# Altium PCB Main.PcbDoc (part 1 of 2)
Units mil, origin at the board's own origin, x right, y up, seen from the top; angles counter-clockwise.
Board outline 3937.01 x 2322.83 mil, 4 copper layers (Top Layer, GND, Power, Bottom Layer), stack 23.756 mil thick; 61 components, 101 nets, 394 pads, 153 vias.
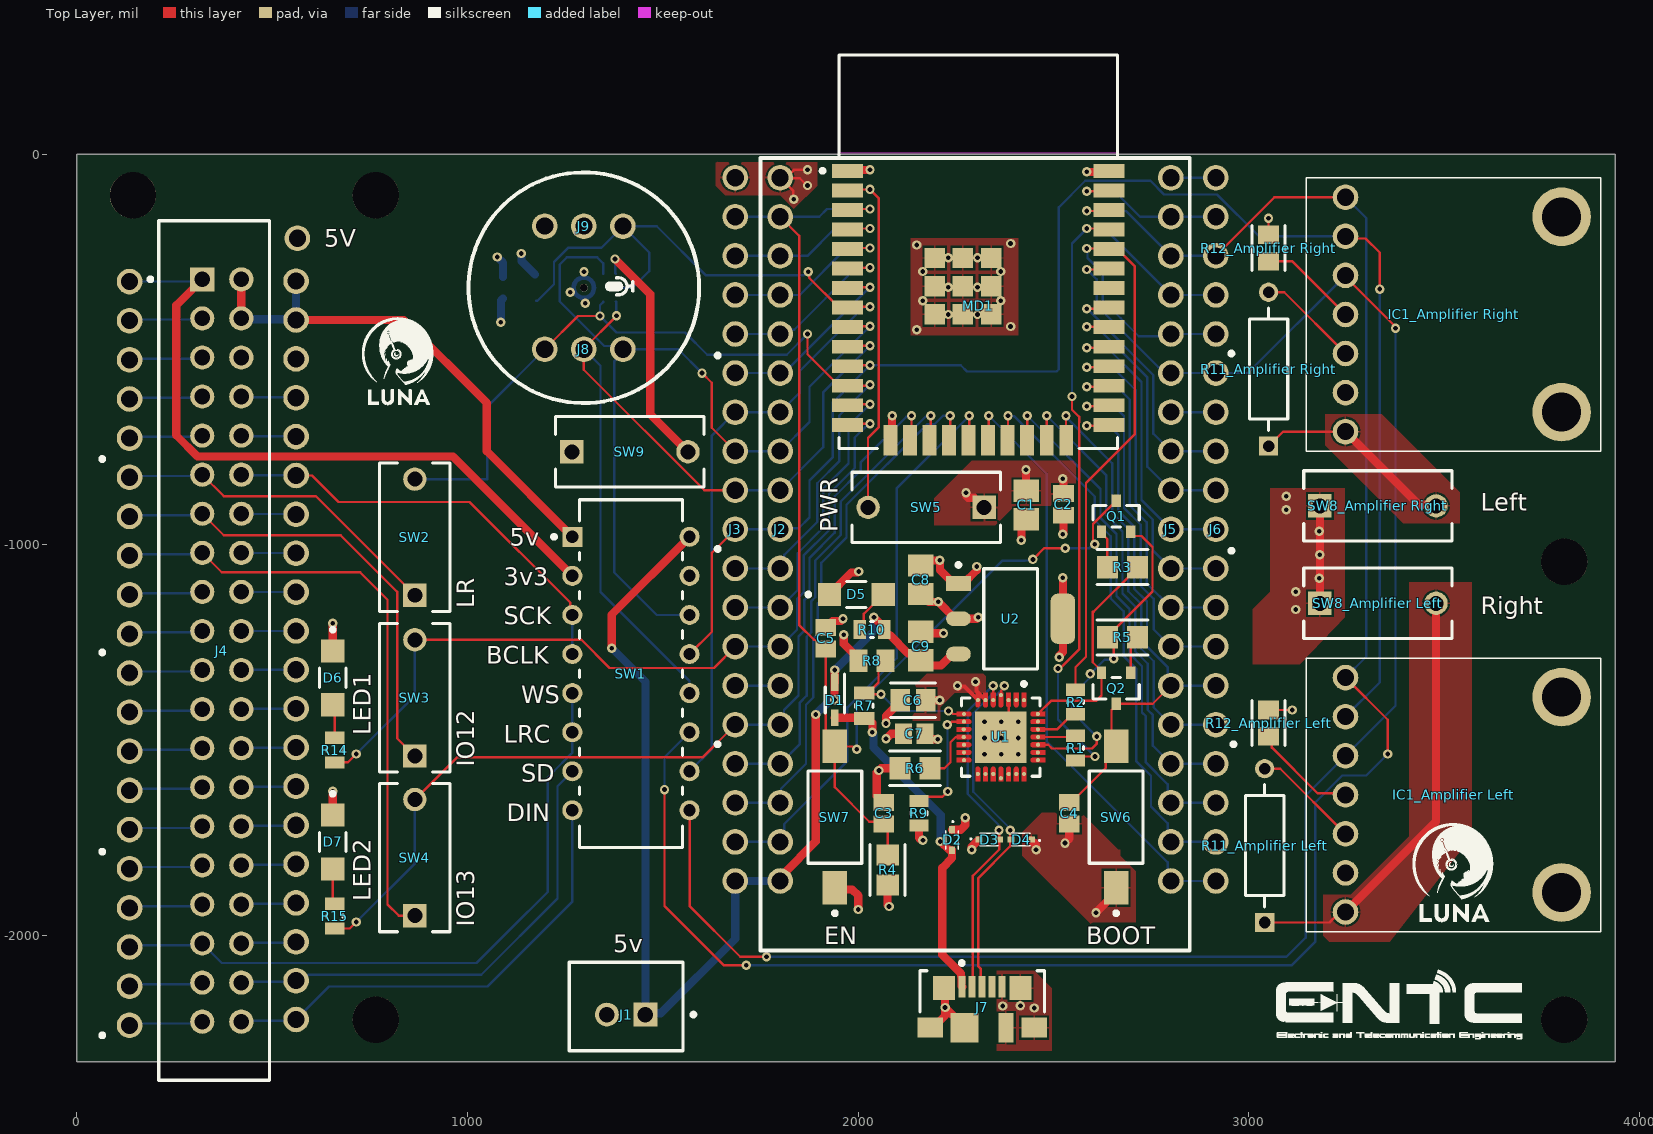
[diagram p0: Top Layer view]
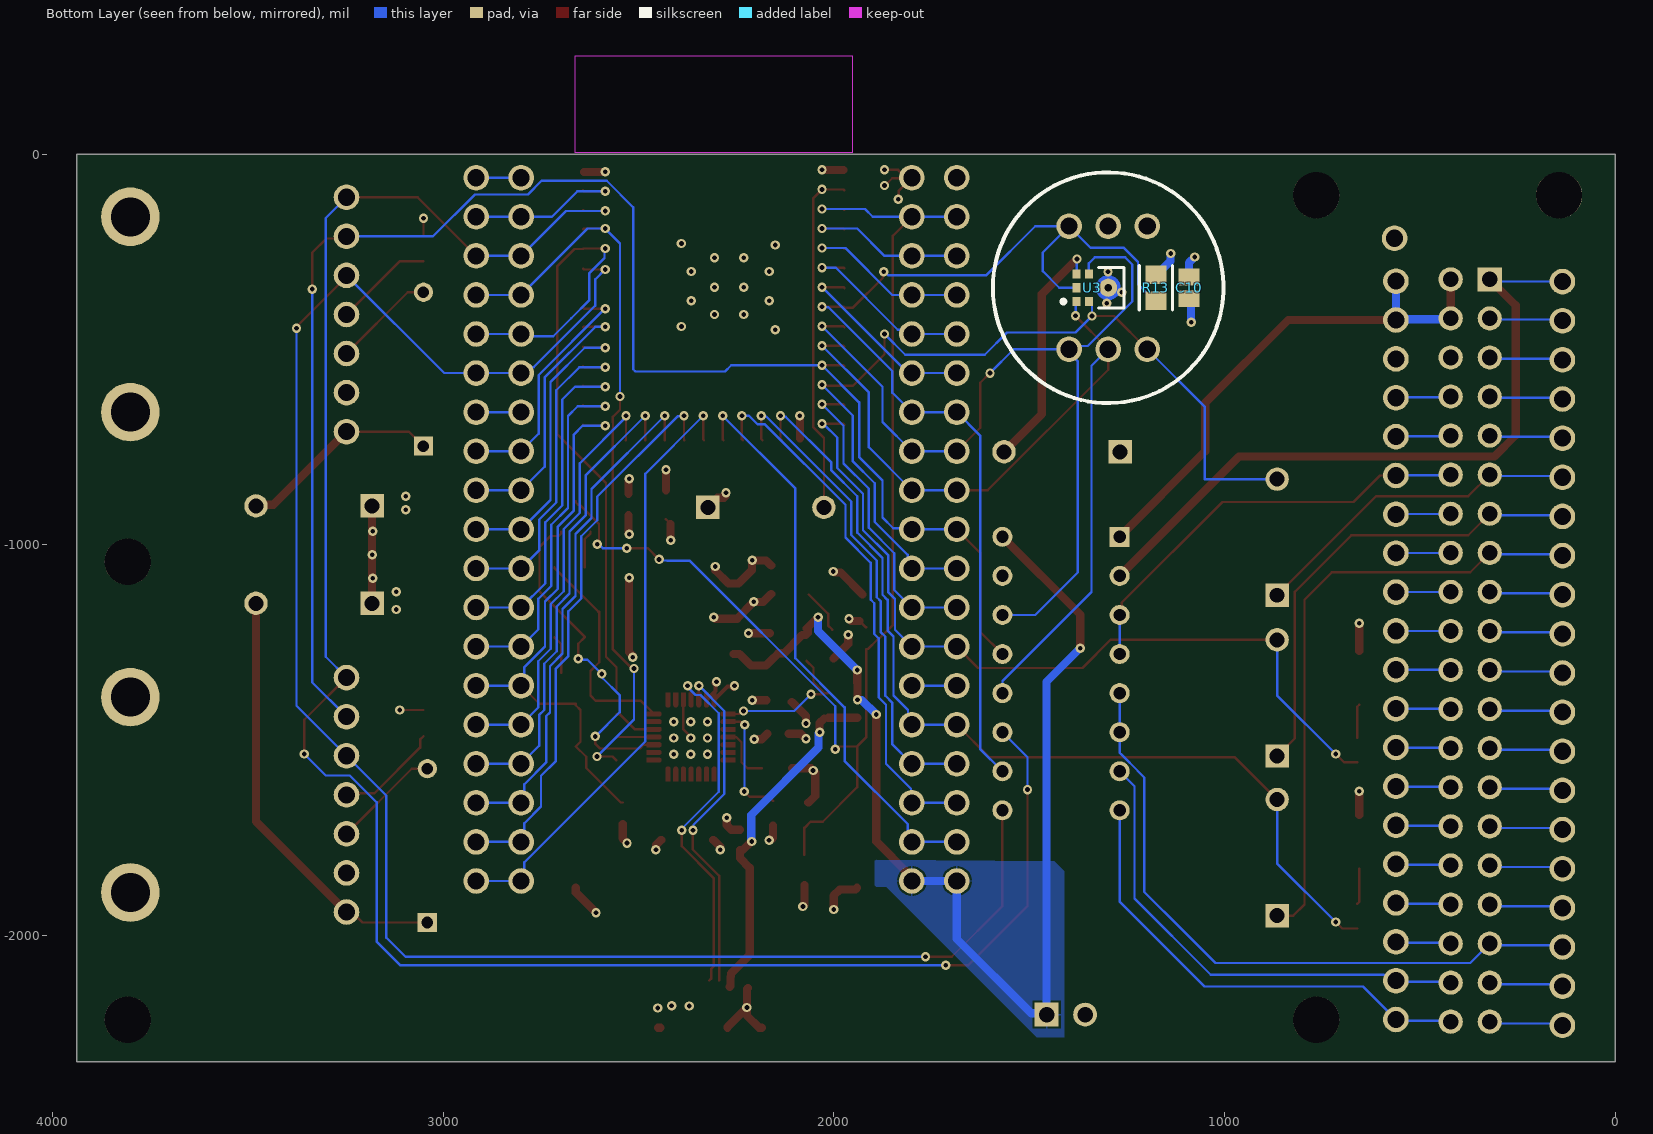
[diagram p1: Bottom Layer view, seen from below]
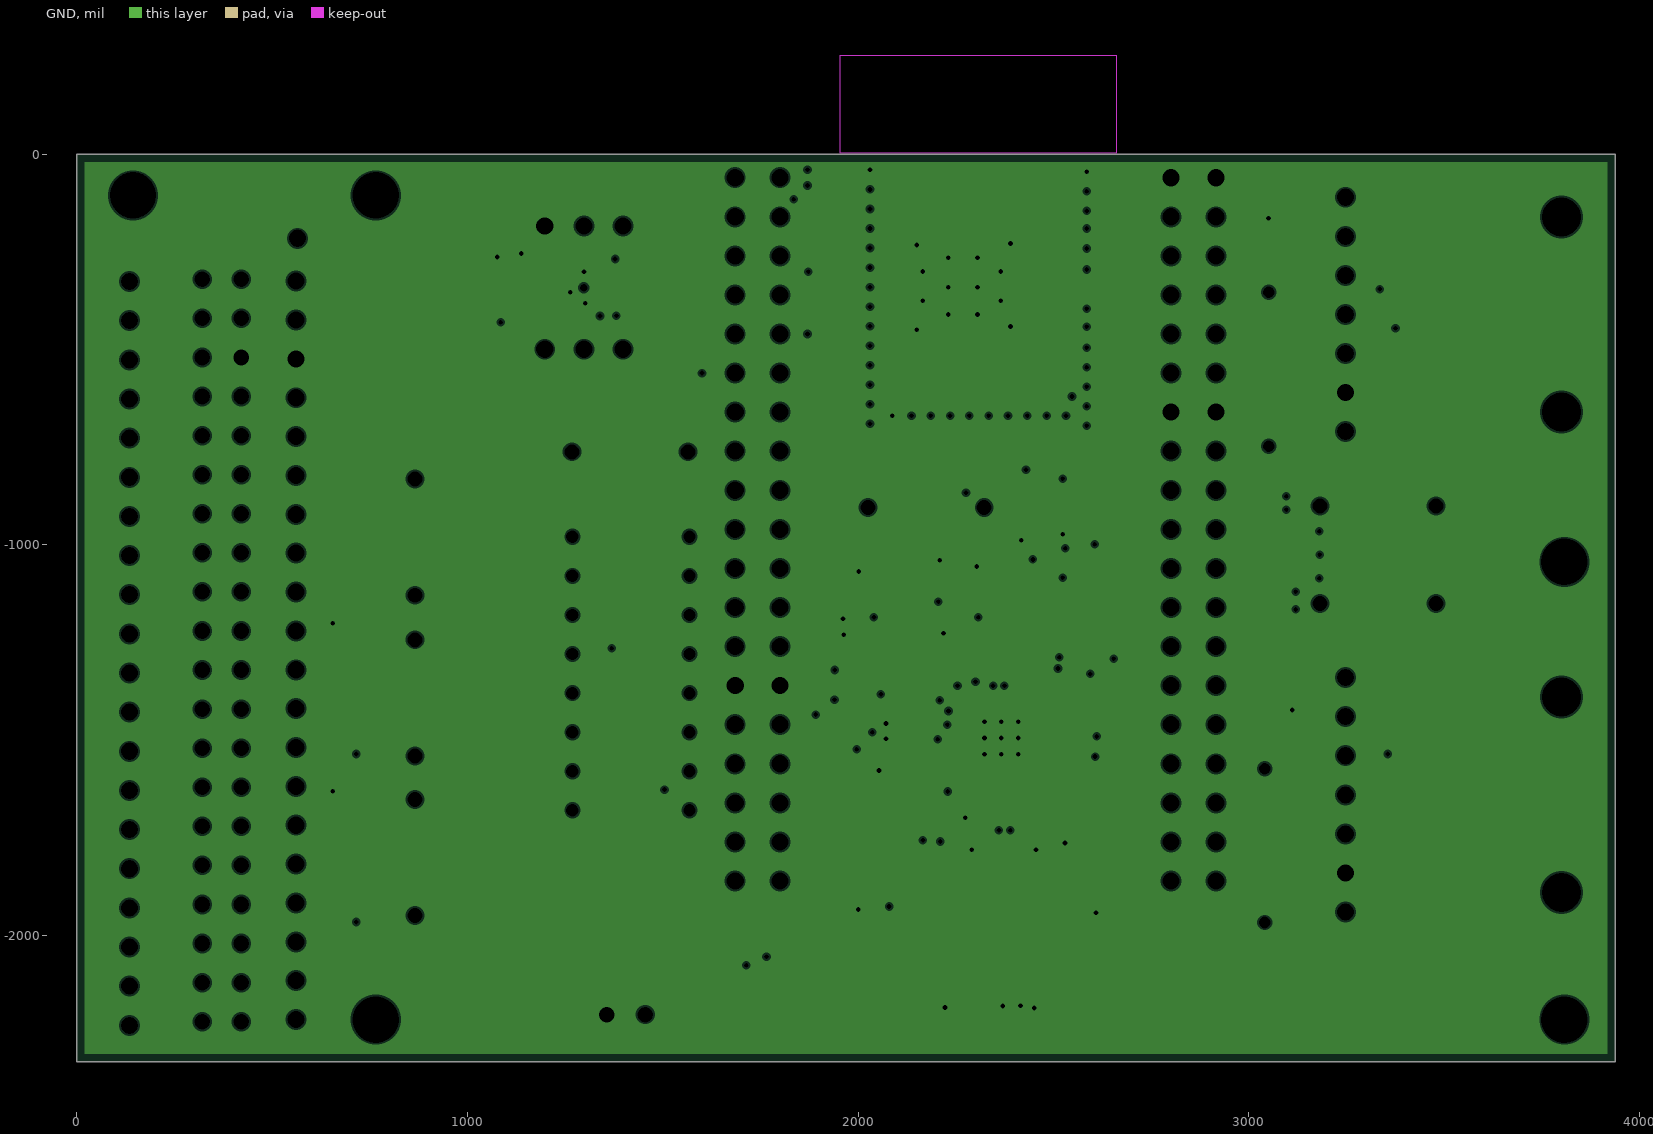
[diagram p2: GND, clearances drawn from the general rule]
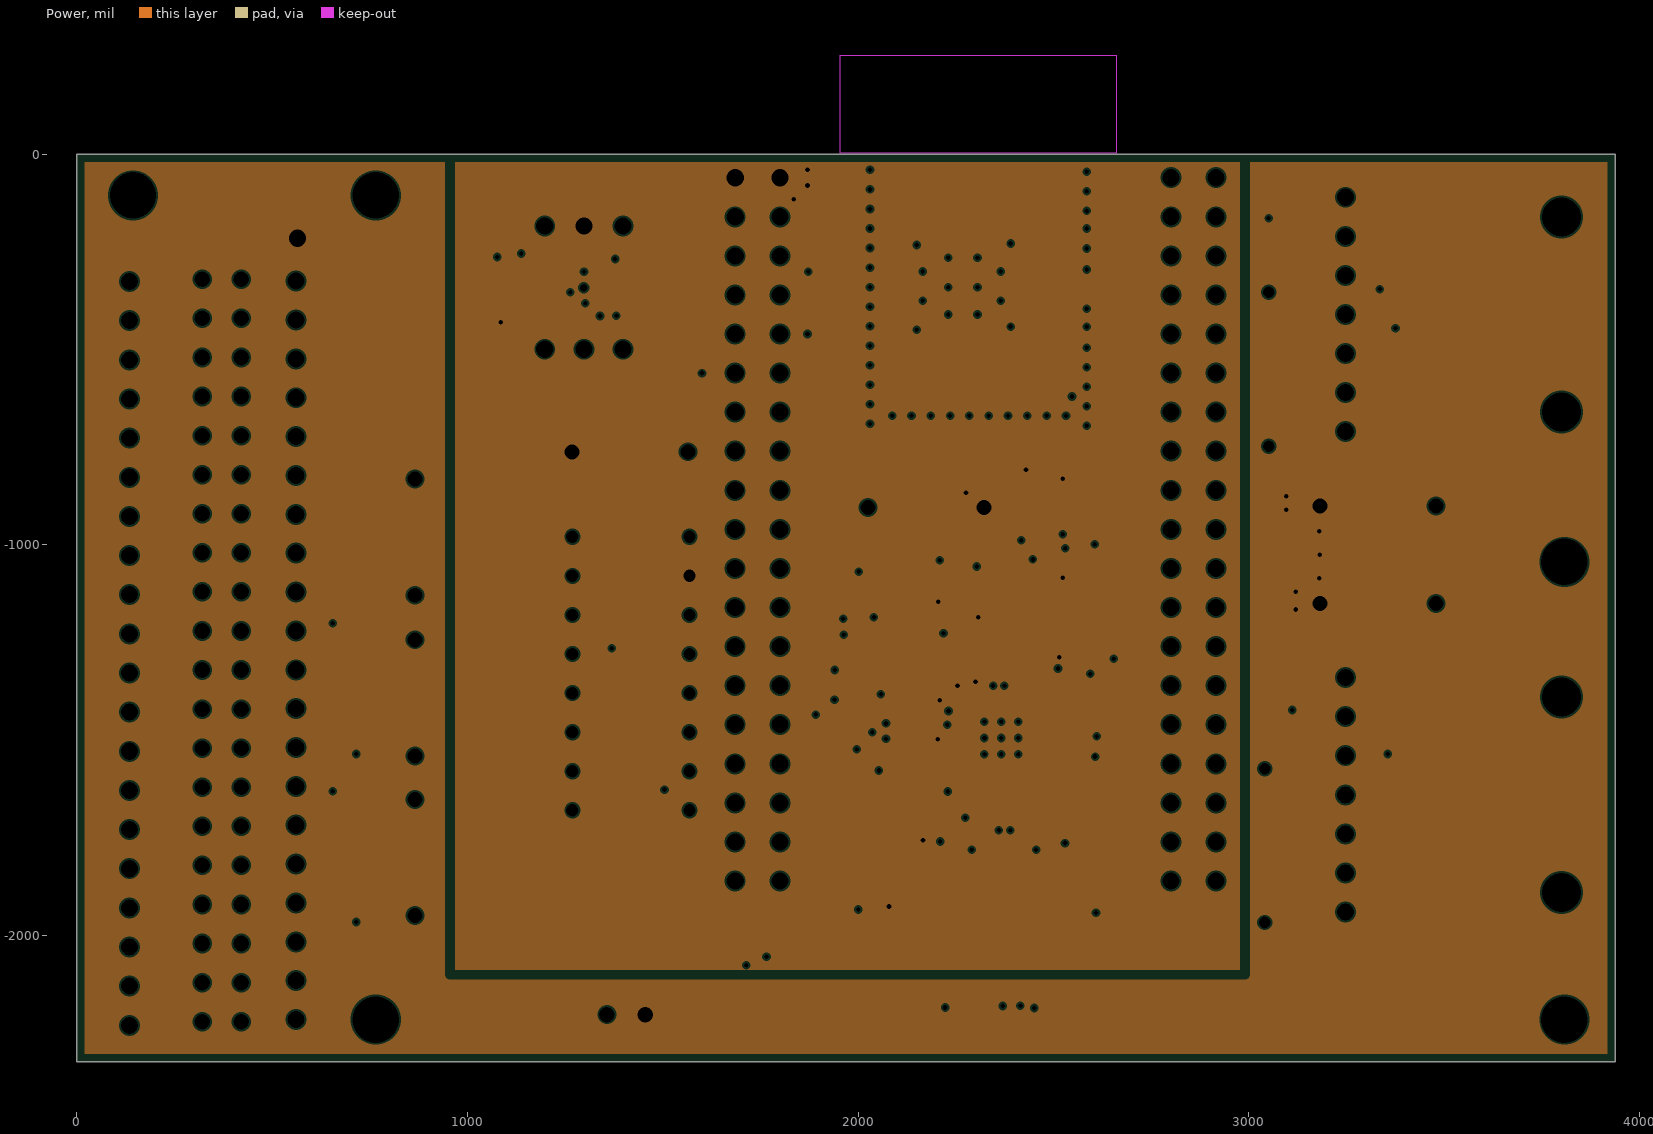
[diagram p3: Power, clearances drawn from the general rule]
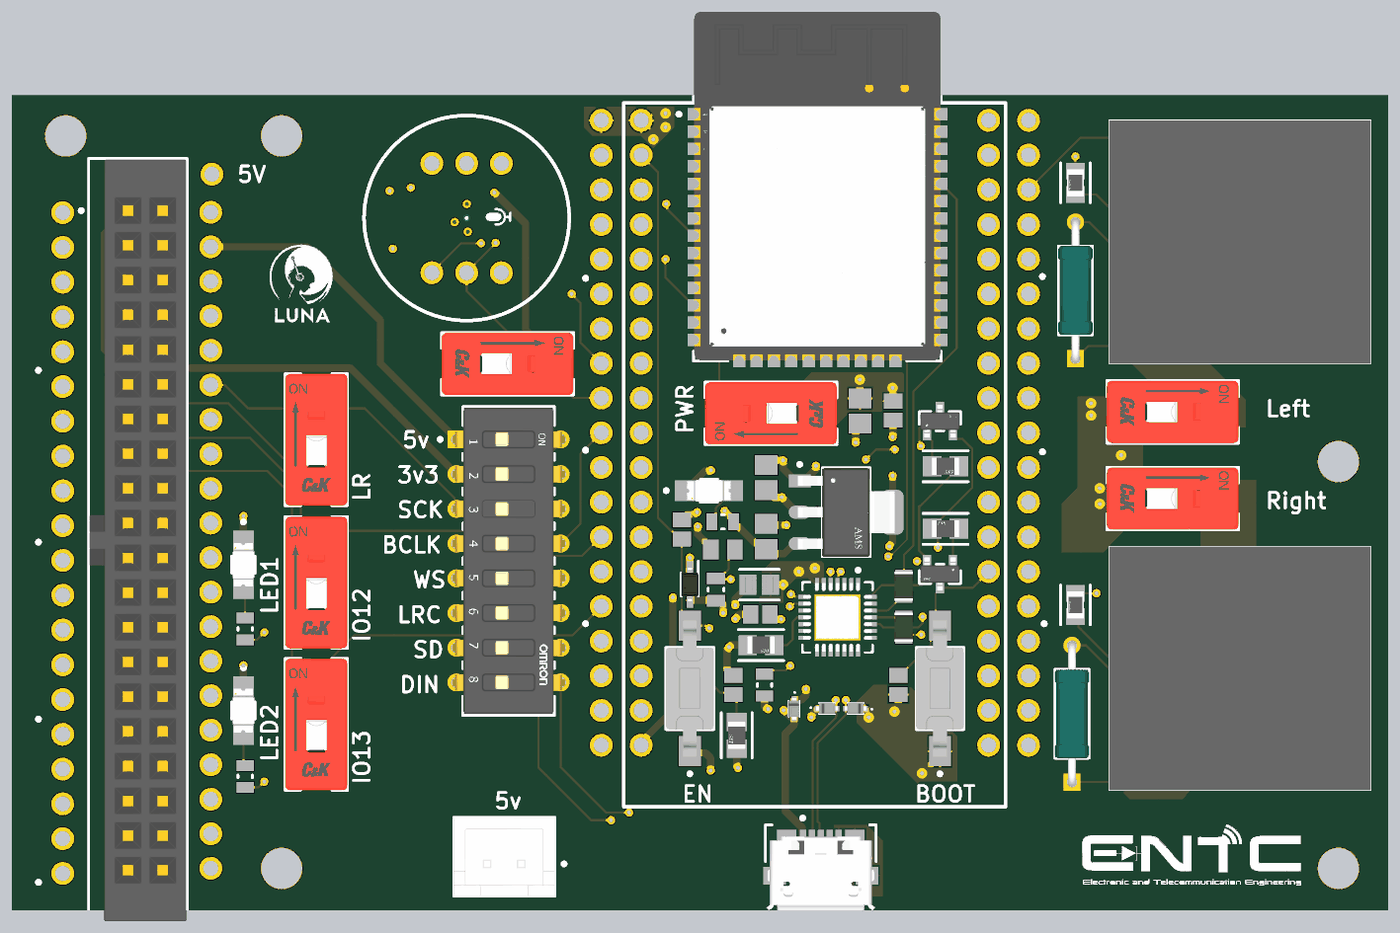
[diagram p5: 3D render of the assembled board from above, using the file's embedded part models]

## Layer stack, top to bottom
Top Solder: solder mask 0.4, Solder Resist, Dk 3.5
Top Layer: signal copper 1.4
Dielectric 2: prepreg 2.8, PP-006, Dk 4.1
GND: plane copper 1.378, net GND
Dielectric 1: dielectric 12.6, FR-4, Dk 4.8
Power: plane copper 1.378, net +3.3
Dielectric 3: prepreg 2.8, PP-006, Dk 4.1
Bottom Layer: signal copper 1.4
Bottom Solder: solder mask 0.4, Solder Resist, Dk 3.5

## Board outline
0.04,-2322.83 3937.05,-2322.83 3937.05,0 0.04,0

## Design rules (kind name [scope] priority, off if disabled: settings)
BoardOutlineClearance [All] p1: gap=7.87 ignorepadtopadclearanceinfootprint=FALSE
Clearance [All] p1: gap=5 ignorepadtopadclearanceinfootprint=FALSE except(9.84: Arc-Hole Track-Hole SMDPad-Hole THPad-Hole Via-Hole Fill-Hole Poly-Hole Region-Hole Text-Hole)
Clearance "USB Differential Clearance" [(InNet('USB_DN') OR InNet('USB_DP'))] p2: gap=8 ignorepadtopadclearanceinfootprint=FALSE
ComponentClearance [All] p1: gap=5 collisioncheckmode=3 verticalgap=5 showdistances=TRUE
DiffPairsRouting [All] p1: maxlimit=10 minlimit=5 mostfreqgap=5 toplayer_minwidth=5 toplayer_maxwidth=1000 toplayer_prefwidth=5 bottomlayer_minwidth=5 bottomlayer_maxwidth=1000 bottomlayer_prefwidth=5 maxuncoupledlength=500
Height [All] p1: minheight=0 maxheight=71497.94 prefheight=500
HoleSize [All] p1: absolutevalues=TRUE maxlimit=248.03 minlimit=11.81 maxpercent=80.000 minpercent=20.000
HoleToHoleClearance [All] p1: gap=9.84 allowstackedmicrovias=FALSE
MinimumAnnularRing [All] p1: minimumring=3
MinimumSolderMaskSliver [All] p1: minsoldermaskwidth=0
PlaneClearance [All] p1: clearance=5
PlaneConnect PlaneConnectPowerPads [InPadClass('PowerPads')] p1: planeconnectstyle=Direct reliefexpansion=20 reliefentries=4 reliefconductorwidth=10 reliefairgap=10
PlaneConnect [All] p2: pad.planeconnectstyle=Relief pad.reliefexpansion=11.81 pad.reliefentries=4 pad.reliefconductorwidth=5 pad.reliefairgap=5 via.planeconnectstyle=Direct via.reliefexpansion=11.81 via.reliefentries=4 via.reliefconductorwidth=5 via.reliefairgap=5
PolygonConnect PolygonConnectPowerPads [All vs (InPadClass('PowerPads'))] p1: connectstyle=Direct reliefconductorwidth=10 reliefentries=4 polygonreliefangle="90 Angle" airgapwidth=10
PolygonConnect [All] p2: thpad.connectstyle=Relief thpad.reliefconductorwidth=5 thpad.reliefentries=4 thpad.polygonreliefangle="90 Angle" thpad.airgapwidth=5 smdpad.connectstyle=Relief smdpad.reliefconductorwidth=5 smdpad.reliefentries=4 smdpad.polygonreliefangle="90 Angle" smdpad.airgapwidth=5 via.connectstyle=Direct via.reliefconductorwidth=5 via.reliefentries=4 via.polygonreliefangle="90 Angle" via.airgapwidth=5
RoutingVias [All] p1: holewidth=11.81 width=23.62 viastyle="Through Hole" minholewidth=11.81 minwidth=23.62 maxholewidth=23.62 maxwidth=259.84
SilkToSilkClearance [All] p1: silktosilkclearance=0
SilkToSolderMaskClearance [IsPad] p1: minsilkscreentomaskgap=5 clearancetoexposedcopper=TRUE
SolderMaskExpansion [All] p1: expansion=2.95 istentingtop=FALSE
Width "USB Differential Width" [(InNet('USB_DN') OR InNet('USB_DP'))] p1: maxlimit=6 minlimit=6 preferedwidth=6
Width [All] p2: maxlimit=1000 minlimit=5 preferedwidth=5 minimp=50.000000 maximp=50.000000 favimp=50.000000
20 further rules are at their usual default settings.

## Classes and differential pairs
channel class Amplifier: "Amplifier Left" "Amplifier Right"
component class Power: C8 C9 D5 R10 U2
component class Microphone: C10 R13 SW9 U3
component class MCU: C1 C2 C3 C4 C5 C6 C7 D1 D2 D3 D4 J7 MD1 Q1 Q2 R1 R2 R3 R4 R5 R6 R7 R8 R9 SW5 SW6 SW7 U1
component class Main: D6 D7 J1 J2 J3 J4 J5 J6 J8 J9 R14 R15 SW1 SW2 SW3 SW4
component class "Amplifier Right": "IC1_Amplifier Right" "R11_Amplifier Right" "R12_Amplifier Right" "SW8_Amplifier Right"
component class "Amplifier Left": "IC1_Amplifier Left" "R11_Amplifier Left" "R12_Amplifier Left" "SW8_Amplifier Left"

## Components (designator, comment, footprint, x,y, rotation, side; value= is the part's Value field where it differs from the comment)
C1 "TACR226M010XTA" CAPC2014X150X70ML20 2430.04,-897.44 r90 top value=22uF
C2 "08055F104KAT2A" CAPC2013X140X50LL20T25 2525.04,-896.3 r90 top value=0.1uF
C3 "08055F104KAT2A" CAPC2013X140X50LL20T25 2065.04,-1686.57 r270 top value=0.1uF
C4 "08055F104KAT2A" CAPC2013X140X50LL20T25 2540.04,-1686.57 r270 top value=0.1uF
C5 "08055F104KAT2A" CAPC2013X140X50LL20T25 1917,-1238.56 r90 top value=0.1uF
C6 "CL21A475KQFNNNF" FP-CL21-IPC_B 2139.8,-1397.64 r180 top
C7 "08055F104KAT2A" CAPC2013X140X50LL20T25 2142.76,-1483.27 r0 top value=0.1uF
C8 "TACR226M010XTA" CAPC2014X150X70ML20 2160.04,-1088.86 r270 top value=22uF
C9 "TACR226M010XTA" CAPC2014X150X70ML20 2160.04,-1258.86 r270 top value=22uF
C10 "08055F104KAT2A" CAPC2013X140X50LL20T25 1090.47,-341.54 r90 bottom value=0.1uF
D1 "BAT760-7" SOD2512X110N 1940,-1397 r270 top
D2 "LESD5D5.0CT1G" LESD5D50CT1G 2240,-1755 r270 top
D3 "LESD5D5.0CT1G" LESD5D50CT1G 2335,-1754 r0 top
D4 "LESD5D5.0CT1G" LESD5D50CT1G 2417,-1754 r180 top
D5 "HSMS-C150" FP-HSMS-C150-MFG 1995.04,-1126.57 r0 top
D6 "HSMS-C150" FP-HSMS-C150-MFG 655,-1340 r270 top
D7 "HSMS-C150" FP-HSMS-C150-MFG 655,-1760 r270 top
"IC1_Amplifier Left" "MAX98357A" 3006 3150.04,-1639.37 r270 top (schematic designator IC1)
"IC1_Amplifier Right" "MAX98357A" 3006 3150.04,-410 r270 top (schematic designator IC1)
J1 "B2B-XH-A(LF)(SN)" FP-B2B-XH-A_LF_SN-MFG 1405.79,-2181.24 r180 top
J2 "19 Pin Header" "19 Pin Header" 1800.04,-960 r0 top
J3 "19 Pin Header" "19 Pin Header" 1685.04,-960 r0 top
J4 "SFH11-PBPC-D20-ST-BK" FP-SFH11-PBPC-D20-ST-BK-MFG 351.22,-1270.08 r270 top
J5 "19 Pin Header" "19 Pin Header" 2800.04,-960 r0 top
J6 "19 Pin Header" "19 Pin Header" 2915.04,-960 r0 top
J7 "MICRO-USB B" FP-473460001-MFG 2317.07,-2221.6 r0 top
J8 "3 Pin Header" "3 Pin Header" 1297.52,-499.02 r90 top
J9 "3 Pin Header" "3 Pin Header" 1297.52,-184.06 r90 top
MD1 "ESP32-WROOM-32" FP-ESP32-WROOM-32-MFG 2307.17,-249.57 r0 top
Q1 "SS8050-G" FP-SS8050-G-MFG 2660.04,-926.57 r90 top
Q2 "SS8050-G" FP-SS8050-G-MFG 2660.04,-1366.57 r270 top
R1 "RC0805JR-100RL" RESC2013X60X35LL10T20 2556,-1520 r90 top value=0R
R2 "RC0805JR-100RL" RESC2013X60X35LL10T20 2556,-1402 r270 top value=0R
R3 "RMCF0805JT10K0" FP-RMCF0805-IPC_A 2676.04,-1056.57 r0 top
R4 "RMCF0805JT10K0" FP-RMCF0805-IPC_A 2075.04,-1831.57 r270 top
R5 "RMCF0805JT10K0" FP-RMCF0805-IPC_A 2676.04,-1236.57 r180 top
R6 "RMCF0805JT10K0" FP-RMCF0805-IPC_A 2145.04,-1571.57 r0 top
R7 "CRCW080522K1FKTA" RESC2013X50X30LL20T20 2015.04,-1411.57 r90 top value=22.1K
R8 "ERJ-6ENF4752V" RESC2013X70X40NL20T20 2035.04,-1296.57 r0 top value=47.5K